# Altium PCB higgs.PcbDoc (part 7 of 25)
Units mm, origin at the board's own origin, x right, y up, seen from the top; angles counter-clockwise.
Board outline 160 x 160 mm, 15 copper layers (TOP, P1(GND), S1(V), P2(GND), S2(H), P3(GND), S3(V12/V2V5), S4(VDDR), P4(GND), S5(V), P5(GND), S6(H), P6(GND), P1(GND) (Plane1), BOT), stack 3.262 mm thick; 1283 components, 2419 nets, 11066 pads, 5487 vias.
Unrouted connection lines stored in the file: 239.
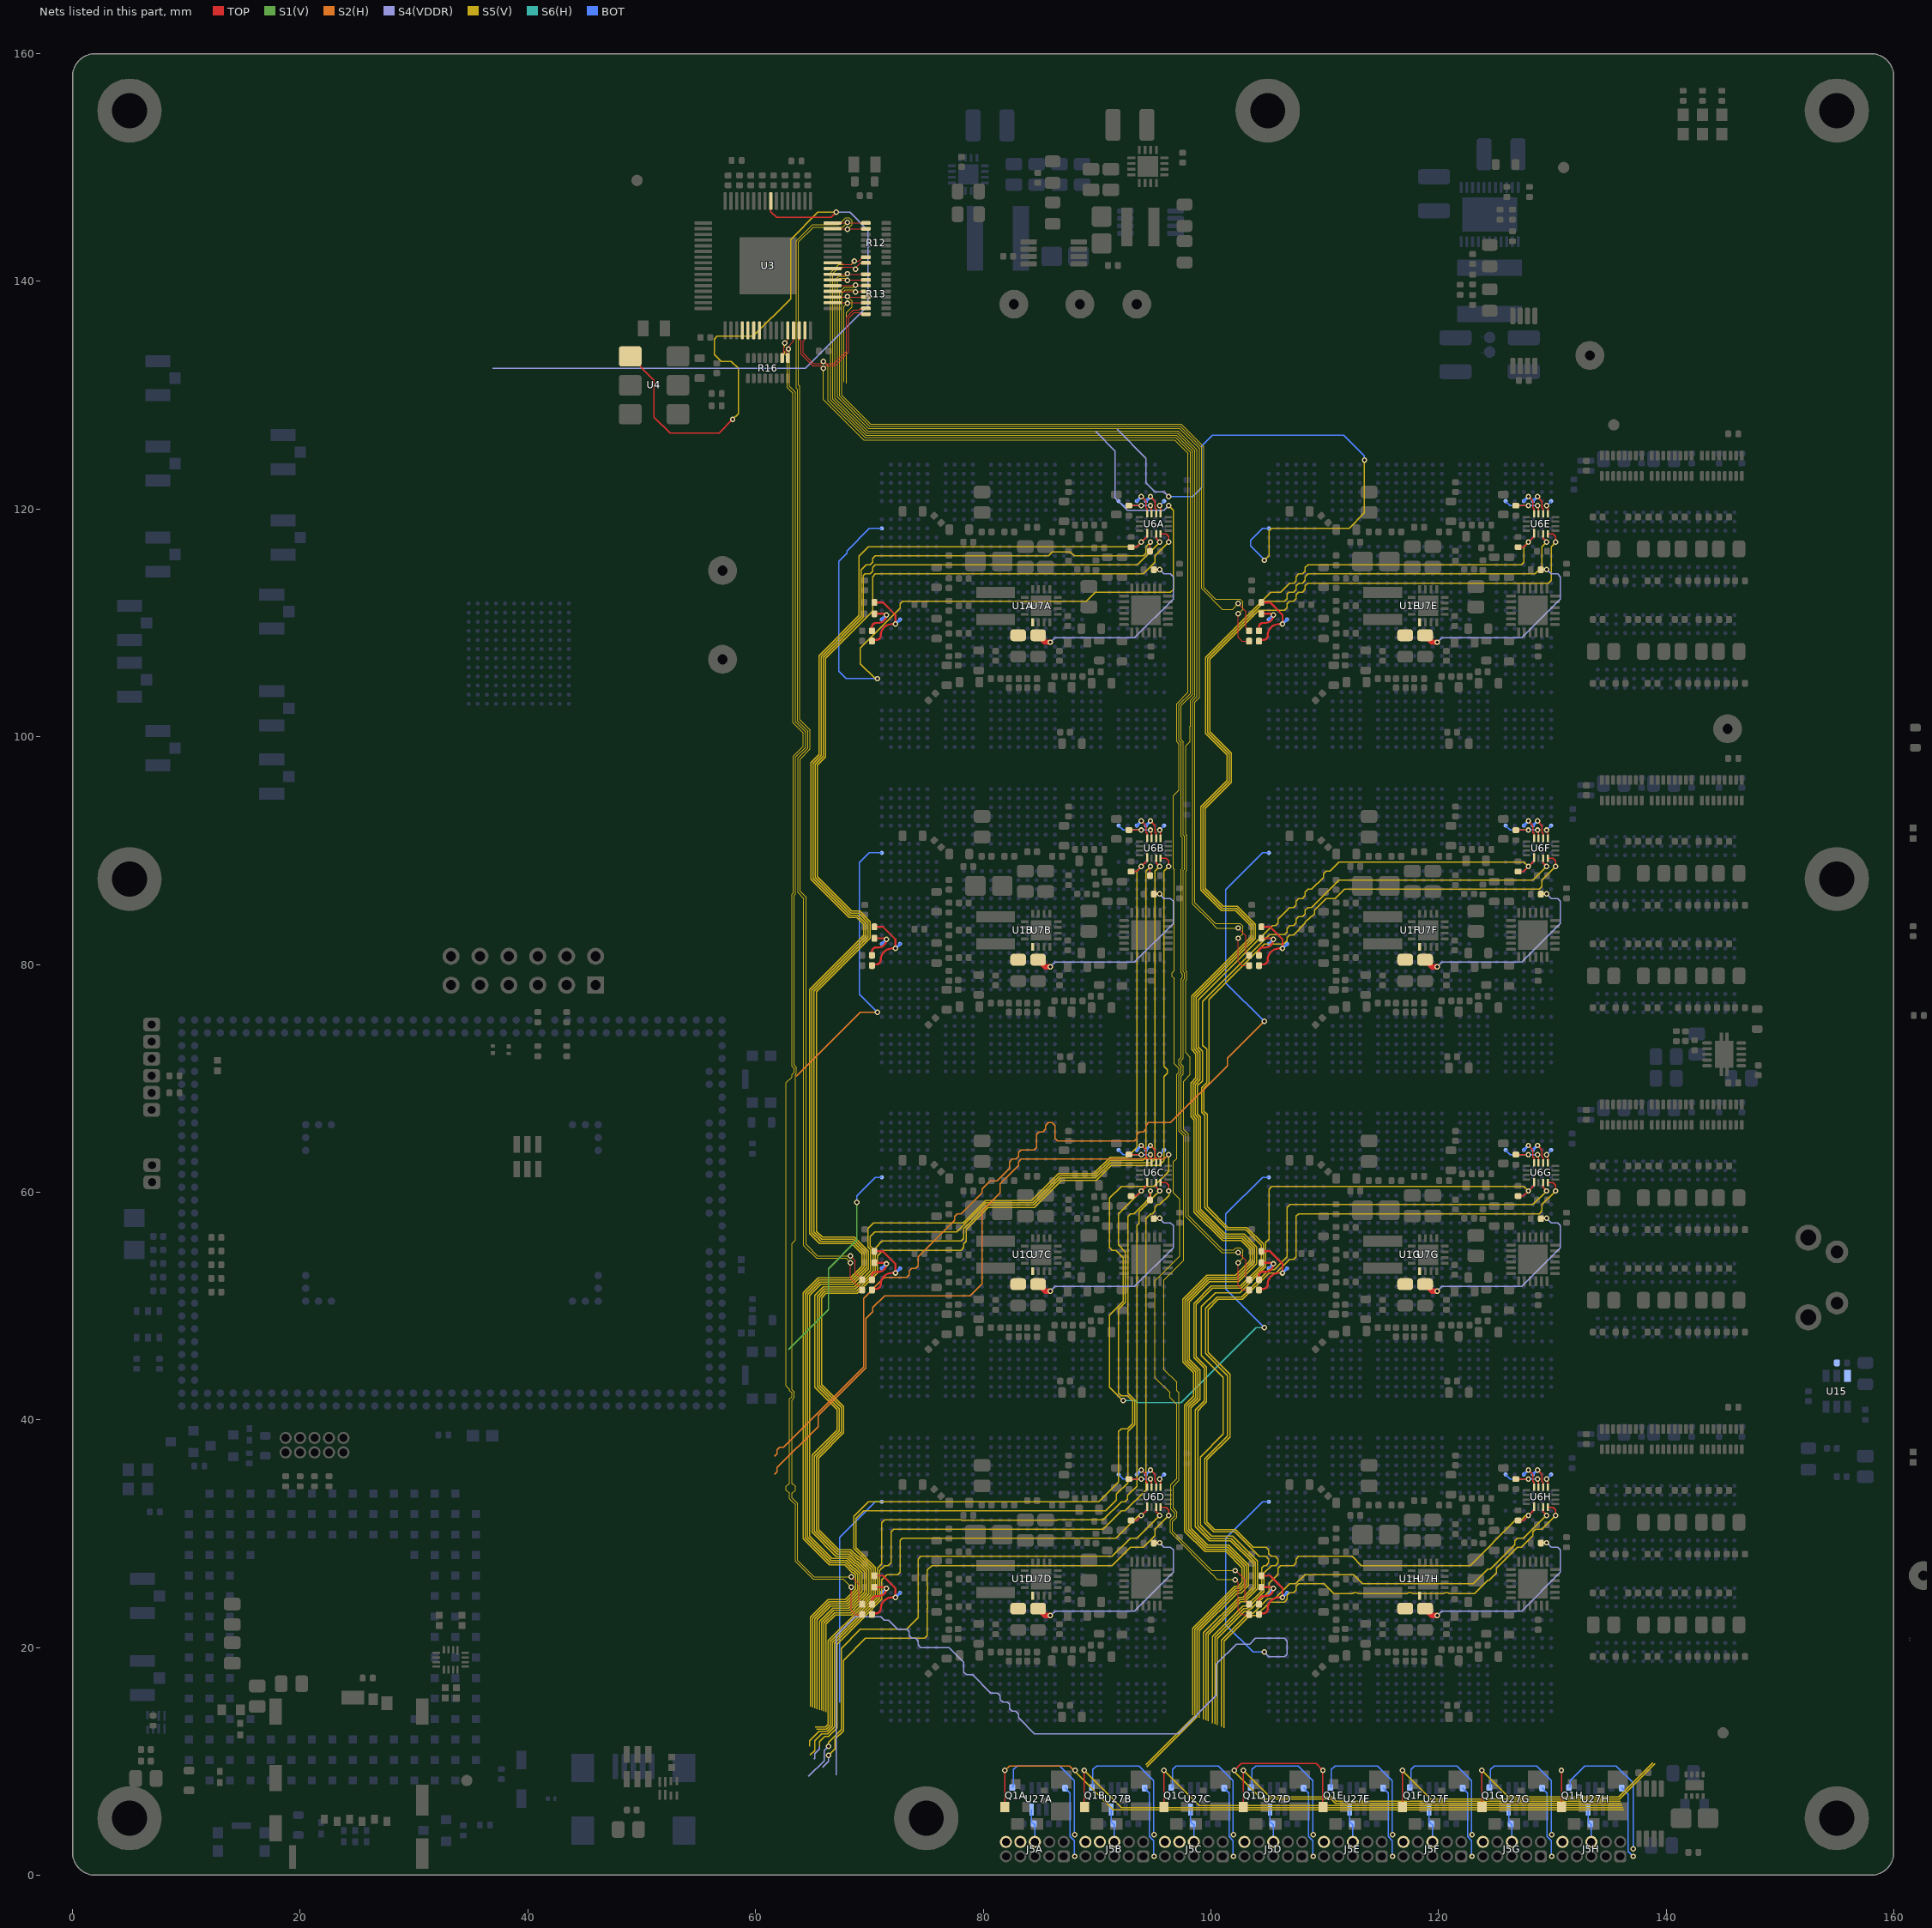
[diagram p20: the nets of this part, all layers, seen from the top]

## Via types
v1: diameter 0.483, hole 0.254, TOP to BOT, tented both sides, 5146 vias
v2: diameter 0.457, hole 0.254, TOP to BOT, tented both sides, 278 vias
v3: diameter 0.5, hole 0.25, TOP to BOT, 50 vias
v4: diameter 0.483/0/0/0/0.483/0/0/0.483 (per signal layer), hole 0.254, TOP to BOT, tented both sides, 7 vias
v5: diameter 0.483, hole 0.254, TOP to BOT, tented bottom, 5 vias
v6: diameter 0.483, hole 0.254, TOP to BOT, 1 vias

## Nets (pads, with @x,y where several pads share a name; then routed paths per layer and width w, separated by ;. In a path a pad name is that pad's centre, name@x,y a point inside that pad or via, vN(x,y) a via of type N, cw(c..) or ccw(c..) an arc to the next point about the centre after c; other vN are vias at no path point) (continued)
CLK22.C_N: C7C.2 R12.2 U3.38 U3.63 | length 106.5
  TOP w0.089: U3.63@66.77,144.626 68.027,144.626 v1(68.075,144.578) 68.124,144.626 R12.2@69.695,144.626 ; v1(68.35,53.8) 68.35,52.42 C7C.2@69.37,51.4
  S5(V) w0.089: v1(68.075,144.578) 68.475,144.978 68.475,145.34 68.241,145.575 67.909,145.575 67.314,144.979 65.006,144.979 63.587,143.56 63.587,131.451 63.585,131.449 63.585,130.606 63.692,130.5 63.692,119.751 63.692,117.351 63.696,117.347 63.696,117.322 63.698,117.32 63.698,101.401 64.598,100.501 64.598,100.232 64.599,100.231 64.599,99.01 63.723,98.133 63.723,86.327 64.247,85.803 64.247,55.316 65.369,54.194 67.956,54.194 v1(68.35,53.8)
CLK22.C_P: C6C.2 R12.1 U3.39 U3.64 | length 103.9
  TOP w0.089: U3.64@66.77,145.126 68.027,145.126 v1(68.075,145.174) 68.124,145.126 R12.1@69.695,145.126 ; v1(68.35,54.397) 68.75,53.997 68.75,52.92 C6C.2@69.37,52.3
  S5(V) w0.089: v1(68.075,145.174) 67.677,144.776 65.09,144.776 63.79,143.476 63.79,131.367 63.788,131.365 63.788,130.9 63.895,130.794 63.895,117.435 63.899,117.431 63.899,117.406 63.901,117.405 63.901,101.485 64.801,100.585 64.801,100.317 64.802,100.315 64.802,98.926 63.926,98.049 63.926,86.422 64.45,85.898 64.45,55.4 65.453,54.397 v1(68.35,54.397)
CLK23.C_N: C7D.2 R16.2 U3.36 U3.44 | length 121
  TOP w0.089: R16.2@62.34,133.271 62.34,133.626 62.488,133.774 62.488,134.496 v1(62.568,134.576) 62.84,134.848 U3.44@62.84,135.696 ; v1(68.4,25.3) 68.4,23.252 68.752,22.9 C7D.2@69.37,22.9
  S5(V) w0.089: v1(62.568,134.576) 62.568,134.298 62.492,134.222 62.492,133.89 62.568,133.814 62.568,133.598 62.787,133.379 62.787,130.679 63.292,130.174 63.292,101.241 64.199,100.335 64.199,100.067 64.2,100.066 64.2,99.175 63.324,98.299 63.324,86.271 63.2,86.148 63.2,71.653 63.197,71.65 63.197,71.069 63.4,70.866 63.4,70.534 63.197,70.331 63.197,70.097 62.7,69.6 62.7,42.975 62.997,42.678 62.997,42.569 63.2,42.366 63.2,42.034 62.997,41.831 62.997,34.4 62.934,34.4 62.7,34.166 62.7,33.834 62.934,33.6 62.997,33.6 62.997,33.066 63.263,32.8 63.266,32.8 63.5,32.566 63.5,27.563 65.066,25.997 67.703,25.997 v1(68.4,25.3)
CLK23.C_P: C6D.2 R16.1 U3.37 U3.45 | length 119.7
  TOP w0.089: R16.1@62.84,133.271 62.84,133.628 62.692,133.776 62.692,134.078 62.768,134.154 62.867,134.056 v1(62.892,134.056) 62.892,134.278 63.34,134.726 U3.45@63.34,135.696 ; v1(68.4,26.2) 69.087,25.513 69.087,24.083 C6D.2@69.37,23.8
  S5(V) w0.089: v1(62.892,134.056) 62.99,134.154 62.99,130.763 63.496,130.258 63.496,118.232 63.496,117.27 63.5,117.266 63.5,117.241 63.502,117.239 63.502,101.319 64.402,100.419 64.402,100.151 64.403,100.15 64.403,99.091 63.527,98.214 63.527,86.187 63.403,86.063 63.403,71.569 63.4,71.566 63.4,71.234 63.403,71.231 63.403,71.15 63.603,70.95 63.603,70.45 63.5,70.347 63.5,55.786 63.2,55.486 63.2,42.653 63.403,42.45 63.403,41.95 63.2,41.747 63.2,34.4 63.266,34.4 63.5,34.166 63.5,33.834 63.266,33.6 63.2,33.6 63.2,33.15 63.347,33.003 63.35,33.003 63.703,32.65 63.703,27.647 65.15,26.2 v1(68.4,26.2)
CLK30.C_N: C7E.2 R13.4 U3.52 | length 67.7
  TOP w0.089: U3.52@66.77,139.126 68.742,139.126 v1(68.79,139.078) 68.838,139.126 R13.4@69.695,139.126 ; v1(102.4,110.8) 102.4,108.752 102.752,108.4 C7E.2@103.37,108.4
  S5(V) w0.089: v1(68.79,139.078) 68.592,139.276 67.89,139.276 67.59,138.976 67.59,129.986 70.1,127.476 97.396,127.476 99.401,125.47 99.401,125.286 99.403,125.284 99.403,113.097 100.4,112.1 102.566,112.1 102.8,111.866 102.8,111.2 v1(102.4,110.8)
CLK30.C_P: C6E.2 R13.3 U3.53 | length 66.8
  TOP w0.089: U3.53@66.77,139.626 68.742,139.626 v1(68.79,139.674) 68.838,139.626 R13.3@69.695,139.626 ; v1(102.4,111.7) 103.087,111.013 103.087,109.583 C6E.2@103.37,109.3
  S5(V) w0.089: v1(68.79,139.674) 68.595,139.479 67.806,139.479 67.387,139.06 67.387,129.901 70.016,127.272 97.312,127.272 99.198,125.386 99.198,125.202 99.2,125.2 99.2,113.013 101.016,111.197 101.897,111.197 v1(102.4,111.7)
CLK31.C_N: C7F.2 R13.2 U3.54 | length 97.5
  TOP w0.089: U3.54@66.77,140.126 68.027,140.126 v1(68.075,140.078) 68.124,140.126 R13.2@69.695,140.126 ; v1(102.4,82.3) 102.4,80.252 102.752,79.9 C7F.2@103.37,79.9
  S5(V) w0.089: v1(68.075,140.078) 67.877,140.276 67.39,140.276 67.19,140.076 67.19,131.5 67.191,129.82 69.935,127.076 97.23,127.076 99.002,125.305 99.002,103.442 98.603,103.043 98.603,85.397 100.4,83.6 102.566,83.6 102.8,83.366 102.8,82.7 v1(102.4,82.3)
CLK31.C_P: C6F.2 R13.1 U3.55 | length 96.1
  TOP w0.089: U3.55@66.77,140.626 68.027,140.626 v1(68.075,140.674) 68.124,140.626 R13.1@69.695,140.626 ; v1(102.4,83.2) 103.087,82.513 103.087,81.083 C6F.2@103.37,80.8
  S5(V) w0.089: v1(68.075,140.674) 67.88,140.479 67.306,140.479 66.987,140.16 66.987,129.737 69.851,126.873 97.146,126.873 98.799,125.22 98.799,103.526 98.4,103.127 98.4,85.313 99.9,83.813 100.513,83.2 v1(102.4,83.2)
CLK32.C_N: C7G.2 R12.8 U3.56 | length 129.3
  TOP w0.089: U3.56@66.77,141.126 67.594,141.126 67.744,141.276 68.59,141.276 v1(68.79,141.076) 68.79,141.185 69.231,141.626 R12.8@69.695,141.626 ; v1(102.4,53.8) 102.4,51.752 102.752,51.4 C7G.2@103.37,51.4
  S5(V) w0.089: v1(68.79,141.076) 68.59,141.276 67.39,141.276 66.79,140.676 66.79,131.7 66.791,131.699 66.791,129.656 69.769,126.677 97.065,126.677 98.603,125.139 98.603,103.608 98.204,103.209 98.204,100.952 98.2,100.948 98.2,99.592 97.802,99.194 97.802,98.785 97.799,98.782 97.799,91.431 97.899,91.331 97.899,88.269 97.799,88.169 97.799,79.431 97.899,79.331 97.899,78.669 97.799,78.569 97.799,72.259 98.2,71.858 98.2,70.338 97.603,69.741 97.603,65.522 98.025,65.1 98.025,57.927 101.049,54.903 102.037,54.903 102.234,55.1 102.566,55.1 102.8,54.866 102.8,54.2 v1(102.4,53.8)
CLK32.C_P: C6G.2 R12.7 U3.57 | length 127.6
  TOP w0.089: U3.57@66.77,141.626 67.594,141.626 67.741,141.479 68.393,141.479 v1(68.69,141.776) 69.093,141.776 69.443,142.126 R12.7@69.695,142.126 ; v1(102.4,54.7) 103.087,54.013 103.087,52.583 C6G.2@103.37,52.3
  S5(V) w0.089: v1(68.69,141.776) 68.393,141.479 67.306,141.479 66.587,140.76 66.587,129.572 69.685,126.474 96.981,126.474 98.4,125.055 98.4,103.729 97.4,102.729 97.4,99.734 97.596,99.538 97.596,99.534 97.599,99.531 97.599,98.869 97.596,98.866 97.596,91.347 97.696,91.247 97.696,88.353 97.596,88.253 97.596,79.346 97.696,79.247 97.696,78.753 97.596,78.653 97.596,71.762 97.4,71.566 97.4,71.234 97.596,71.038 97.596,71.034 97.599,71.031 97.599,70.369 97.4,70.17 97.4,65.438 97.8,65.038 97.8,57.864 100.964,54.7 v1(102.4,54.7)
CLK33.C_N: C7H.2 R13.8 U3.46 | length 158.8
  TOP w0.089: U3.46@63.84,135.696 63.84,134.872 63.987,134.725 63.987,133.592 65.006,132.573 65.174,132.573 65.176,132.574 65.778,132.574 v1(65.975,132.378) 66.17,132.573 66.974,132.573 67.174,132.773 ; 67.19,132.773 67.174,132.773 ; R13.8@69.695,137.126 69.231,137.126 69.082,137.274 68.688,137.274 68.19,136.776 68.19,133.789 67.174,132.773 ; v1@102.175,25.925 102.4,25.7 102.4,23.252 102.752,22.9 C7H.2@103.37,22.9
  S5(V) w0.089: v1(65.975,132.378) 65.975,129.62 69.52,126.075 96.816,126.075 98.001,124.89 98.001,103.894 97.001,102.894 97.001,99.569 97.177,99.393 97.177,99.388 97.2,99.366 97.2,99.034 97.197,99.031 97.197,95.316 96.7,94.819 96.7,88.434 96.8,88.334 96.8,79.466 96.6,79.266 96.6,78.934 96.7,78.835 ; 96.7,78.834 96.8,78.734 96.8,71.27 97.197,70.873 97.197,70.869 97.2,70.866 97.2,70.534 97,70.334 97,65.834 ; 97,65.825 97,62.966 96.7,62.666 96.7,59.934 97.275,59.359 97.275,54.375 95.1,52.2 95.1,49.066 95.1,43.7 96.4,42.4 96.4,41.95 97,41.35 97,34.85 96.475,34.325 96.475,32.15 96.813,31.812 96.813,31.538 96.438,31.163 96.438,30.105 100.072,26.471 100.072,26.466 100.075,26.463 100.087,26.463 100.575,25.975 v1@102.2,25.975
  other v1: 102.15,25.95
CLK33.C_P: C6H.2 R13.7 U3.47 | length 157.4
  TOP w0.089: U3.47@64.34,135.696 64.34,134.872 64.19,134.722 64.19,133.676 65.088,132.778 65.778,132.778 v1(65.975,132.974) 66.174,132.776 66.89,132.776 67.14,133.026 67.987,133.873 67.987,136.86 68.604,137.478 69.082,137.478 69.231,137.626 R13.7@69.695,137.626 ; v1@102.188,26.788 103.025,25.95 103.025,24.145 C6H.2@103.37,23.8
  S5(V) w0.089: v1(65.975,132.974) 66.375,132.574 66.375,129.507 69.604,126.278 96.9,126.278 98.204,124.974 98.204,103.81 97.204,102.81 97.204,99.653 97.381,99.477 97.381,99.472 97.403,99.45 97.403,98.95 97.4,98.947 97.4,91.266 97.5,91.166 97.5,88.434 97.4,88.334 97.4,79.265 97.5,79.166 97.5,78.834 97.4,78.734 97.4,71.843 97.204,71.647 97.204,71.153 97.4,70.957 97.4,70.953 97.403,70.95 97.403,70.45 97.203,70.25 97.203,66.303 ; 97.203,66.097 97.203,66.303 ; v1(102.15,26.75) 102.125,26.775 100.067,26.775 96.65,30.192 96.65,31.075 97.025,31.45 97.025,31.9 96.7,32.225 96.7,34.166 97.2,34.666 97.2,34.763 97.203,34.766 97.203,41.434 97.2,41.437 97.2,42.366 97,42.566 97,43.3 95.9,44.4 95.9,52.3 97.6,54 97.6,64.95 97.203,65.347 97.203,65.403 97.204,65.404 97.204,66.304 97.203,66.303
CLK_R.CA_N: C7A.1 R9A.2 U1A.C18 | length 6.5
  TOP w0.178: C7A.1@70.23,108.5 70.6,108.5 ccw(c70.6,108.9) 71,108.9 cw(c72,108.9) 72,109.9 v1(72.3,109.9) 72.3,110.7 71.2,111.8 R9A.2@70.445,111.8
  BOT w0.254: v1(72.3,109.9) U1A.C18@72.7,110.3
CLK_R.CA_P: C6A.1 R8A.2 U1A.A18 | length 3.9
  TOP w0.152: C6A.1@70.03,109.2 C6A.1@70.03,109.23
  TOP w0.178: C6A.1@70.23,109.3 70.23,109.63 cw(c70.6,109.63) 70.6,110 70.8,110 ccw(c70.8,110.7) v1(71.5,110.7) ccw(c71.4,110.7) 71.4,110.8 R8A.2@70.445,110.8
  BOT w0.254: U1A.A18@71.1,110.3 v1(71.5,110.7)
CLK_R.CB_N: C7B.1 R9B.2 U1B.C18 | length 6.5
  TOP w0.178: C7B.1@70.23,80 70.6,80 ccw(c70.6,80.4) 71,80.4 cw(c72,80.4) 72,81.4 v1(72.3,81.4) 72.3,82.2 71.2,83.3 R9B.2@70.445,83.3
  BOT w0.254: v1(72.3,81.4) U1B.C18@72.7,81.8
CLK_R.CB_P: C6B.1 R8B.2 U1B.A18 | length 3.9
  TOP w0.152: C6B.1@70.03,80.7 C6B.1@70.03,80.73
  TOP w0.178: C6B.1@70.23,80.8 70.23,81.13 cw(c70.6,81.13) 70.6,81.5 70.8,81.5 ccw(c70.8,82.2) v1(71.5,82.2) ccw(c71.4,82.2) 71.4,82.3 R8B.2@70.445,82.3
  BOT w0.254: U1B.A18@71.1,81.8 v1(71.5,82.2)
CLK_R.CC_N: C7C.1 R9C.2 U1C.C18 | length 6.5
  TOP w0.178: C7C.1@70.23,51.5 70.6,51.5 ccw(c70.6,51.9) 71,51.9 cw(c72,51.9) 72,52.9 v1(72.3,52.9) 72.3,53.7 71.2,54.8 R9C.2@70.445,54.8
  BOT w0.254: v1(72.3,52.9) U1C.C18@72.7,53.3
CLK_R.CC_P: C6C.1 R8C.2 U1C.A18 | length 3.9
  TOP w0.178: C6C.1@70.23,52.3 70.23,52.63 cw(c70.6,52.63) 70.6,53 70.8,53 ccw(c70.8,53.7) v1(71.5,53.7) ccw(c71.4,53.7) 71.4,53.8 R8C.2@70.445,53.8
  BOT w0.254: U1C.A18@71.1,53.3 v1(71.5,53.7)
CLK_R.CD_N: C7D.1 R9D.2 U1D.C18 | length 6.5
  TOP w0.178: C7D.1@70.23,23 70.6,23 ccw(c70.6,23.4) 71,23.4 cw(c72,23.4) 72,24.4 v1(72.3,24.4) 72.3,25.2 71.2,26.3 R9D.2@70.445,26.3
  BOT w0.254: v1(72.3,24.4) U1D.C18@72.7,24.8
CLK_R.CD_P: C6D.1 R8D.2 U1D.A18 | length 3.9
  TOP w0.152: C6D.1@70.03,23.7 C6D.1@70.03,23.73
  TOP w0.178: C6D.1@70.23,23.8 70.23,24.13 cw(c70.6,24.13) 70.6,24.5 70.8,24.5 ccw(c70.8,25.2) v1(71.5,25.2) ccw(c71.4,25.2) 71.4,25.3 R8D.2@70.445,25.3
  BOT w0.254: U1D.A18@71.1,24.8 v1(71.5,25.2)
CLK_R.CE_N: C7E.1 R9E.2 U1E.C18 | length 6.5
  TOP w0.178: C7E.1@104.23,108.5 104.6,108.5 ccw(c104.6,108.9) 105,108.9 cw(c106,108.9) 106,109.9 v1(106.3,109.9) 106.3,110.7 105.2,111.8 R9E.2@104.445,111.8
  BOT w0.254: v1(106.3,109.9) U1E.C18@106.7,110.3
CLK_R.CE_P: C6E.1 R8E.2 U1E.A18 | length 3.9
  TOP w0.152: C6E.1@104.03,109.2 C6E.1@104.03,109.23
  TOP w0.178: C6E.1@104.23,109.3 104.23,109.63 cw(c104.6,109.63) 104.6,110 104.8,110 ccw(c104.8,110.7) v1(105.5,110.7) ccw(c105.4,110.7) 105.4,110.8 R8E.2@104.445,110.8
  BOT w0.254: U1E.A18@105.1,110.3 v1(105.5,110.7)
CLK_R.CF_N: C7F.1 R9F.2 U1F.C18 | length 6.5
  TOP w0.178: C7F.1@104.23,80 104.6,80 ccw(c104.6,80.4) 105,80.4 cw(c106,80.4) 106,81.4 v1(106.3,81.4) 106.3,82.2 105.2,83.3 R9F.2@104.445,83.3
  BOT w0.254: v1(106.3,81.4) U1F.C18@106.7,81.8
CLK_R.CF_P: C6F.1 R8F.2 U1F.A18 | length 3.9
  TOP w0.152: C6F.1@104.03,80.7 C6F.1@104.03,80.73
  TOP w0.178: C6F.1@104.23,80.8 104.23,81.13 cw(c104.6,81.13) 104.6,81.5 104.8,81.5 ccw(c104.8,82.2) v1(105.5,82.2) ccw(c105.4,82.2) 105.4,82.3 R8F.2@104.445,82.3
  BOT w0.254: U1F.A18@105.1,81.8 v1(105.5,82.2)
CLK_R.CG_N: C7G.1 R9G.2 U1G.C18 | length 6.5
  TOP w0.178: C7G.1@104.23,51.5 104.6,51.5 ccw(c104.6,51.9) 105,51.9 cw(c106,51.9) 106,52.9 v1(106.3,52.9) 106.3,53.7 105.2,54.8 R9G.2@104.445,54.8
  BOT w0.254: v1(106.3,52.9) U1G.C18@106.7,53.3
CLK_R.CG_P: C6G.1 R8G.2 U1G.A18 | length 3.9
  TOP w0.152: C6G.1@104.03,52.2 C6G.1@104.03,52.23
  TOP w0.178: C6G.1@104.23,52.3 104.23,52.63 cw(c104.6,52.63) 104.6,53 104.8,53 ccw(c104.8,53.7) v1(105.5,53.7) ccw(c105.4,53.7) 105.4,53.8 R8G.2@104.445,53.8
  BOT w0.254: U1G.A18@105.1,53.3 v1(105.5,53.7)
CLK_R.CH_N: C7H.1 R9H.2 U1H.C18 | length 6.5
  TOP w0.178: C7H.1@104.23,23 104.6,23 ccw(c104.6,23.4) 105,23.4 cw(c106,23.4) 106,24.4 v1(106.3,24.4) 106.3,25.2 105.2,26.3 R9H.2@104.445,26.3
  BOT w0.254: v1(106.3,24.4) U1H.C18@106.7,24.8
CLK_R.CH_P: C6H.1 R8H.2 U1H.A18 | length 3.9
  TOP w0.152: C6H.1@104.03,23.7 C6H.1@104.03,23.73
  TOP w0.178: C6H.1@104.23,23.8 104.23,24.13 cw(c104.6,24.13) 104.6,24.5 104.8,24.5 ccw(c104.8,25.2) v1(105.5,25.2) ccw(c105.4,25.2) 105.4,25.3 R8H.2@104.445,25.3
  BOT w0.254: U1H.A18@105.1,24.8 v1(105.5,25.2)
CLK_SEL: U3.8 U4.1 | length 93.6
  TOP w0.095: U4.1@48.99,133.416 51.09,131.316 51.09,128.076 52.49,126.676 56.79,126.676 v1(57.99,127.876) ; U3.8@61.34,147.056 61.34,146.126 61.84,145.626 66.64,145.626 v1(67.09,146.076)
  S4(VDDR) w0.095: 36.89,132.376 64.39,132.376 69.89,137.876 69.89,144.476 68.29,146.076 v1(67.09,146.076)
  S5(V) w0.095: v1(57.99,127.876) 58.495,128.381 58.495,132.354 57.866,132.982 56.987,132.982 56.394,133.575 56.394,134.94 56.626,135.172 59.786,135.172 63.09,138.476 63.09,143.676 65.49,146.076 v1(67.09,146.076)
CLKCFG.C_N: R13.6 U3.50 | length 10
  TOP w0.089: U3.50@66.77,138.126 68.027,138.126 v1(68.075,138.078) 68.124,138.126 R13.6@69.695,138.126
  S5(V) w0.089: 67.786,131.141 67.786,137.788 v1(68.075,138.078)
CLKCFG.C_P: R13.5 U3.51 | length 10.7
  TOP w0.089: U3.51@66.77,138.626 68.027,138.626 v1(68.075,138.674) 68.124,138.626 R13.5@69.695,138.626
  S5(V) w0.089: 67.989,131.057 67.989,137.276 68.475,137.762 68.475,138.274 68.27,138.479
ENA: R22A.2
ENB: R22B.2
FBA: R3A.2 R10A.1 R11A.2 U7A.5 | length 17.1
  TOP w0.483: R11A.2@84.825,108.915 85.44,108.3 v1(85.9,108.3)
  S4(VDDR) w0.1: v1(85.9,108.3) 86.3,108.7 93.3,108.7 96.7,112.1 ; v1(95.5,114.7) 95.9,114.3 96.3,114.3 ; 96.302,114.298 96.465,114.298 96.698,114.065 96.698,112.102
FBB: R3B.2 R10B.1 R11B.2 U7B.5 | length 17.1
  TOP w0.483: R11B.2@84.825,80.415 85.44,79.8 v1(85.9,79.8)
  S4(VDDR) w0.1: v1(85.9,79.8) 86.3,80.2 93.3,80.2 96.7,83.6 ; v1(95.5,86.2) 95.9,85.8 96.3,85.8 ; 96.302,85.798 96.465,85.798 96.698,85.565 96.698,83.602
FBC: R3C.2 R10C.1 R11C.2 U7C.5 | length 17.1
  TOP w0.483: R11C.2@84.825,51.915 85.44,51.3 v1(85.9,51.3)
  S4(VDDR) w0.1: v1(85.9,51.3) 86.3,51.7 93.3,51.7 96.7,55.1 ; v1(95.5,57.7) 95.9,57.3 96.3,57.3 ; 96.302,57.298 96.465,57.298 96.698,57.065 96.698,55.102
FBD: R3D.2 R10D.1 R11D.2 U7D.5 | length 17.1
  TOP w0.483: R11D.2@84.825,23.415 85.44,22.8 v1(85.9,22.8)
  S4(VDDR) w0.1: v1(85.9,22.8) 86.3,23.2 93.3,23.2 96.7,26.6 ; v1(95.5,29.2) 95.9,28.8 96.3,28.8 ; 96.302,28.798 96.465,28.798 96.698,28.565 96.698,26.602
FBE: R3E.2 R10E.1 R11E.2 U7E.5 | length 17.1
  TOP w0.483: R11E.2@118.825,108.915 119.44,108.3 v1(119.9,108.3)
  S4(VDDR) w0.1: v1(119.9,108.3) 120.3,108.7 127.3,108.7 130.7,112.1 ; v1(129.5,114.7) 129.9,114.3 130.3,114.3 ; 130.302,114.298 130.465,114.298 130.698,114.065 130.698,112.102
FBF: R3F.2 R10F.1 R11F.2 U7F.5 | length 17.1
  TOP w0.483: R11F.2@118.825,80.415 119.44,79.8 v1(119.9,79.8)
  S4(VDDR) w0.1: v1(119.9,79.8) 120.3,80.2 127.3,80.2 130.7,83.6 ; v1(129.5,86.2) 129.9,85.8 130.3,85.8 ; 130.302,85.798 130.465,85.798 130.698,85.565 130.698,83.602
FBG: R3G.2 R10G.1 R11G.2 U7G.5 | length 17.1
  TOP w0.483: R11G.2@118.825,51.915 119.44,51.3 v1(119.9,51.3)
  S4(VDDR) w0.1: v1(119.9,51.3) 120.3,51.7 127.3,51.7 130.7,55.1 ; v1(129.5,57.7) 129.9,57.3 130.3,57.3 ; 130.302,57.298 130.465,57.298 130.698,57.065 130.698,55.102
FBH: R3H.2 R10H.1 R11H.2 U7H.5 | length 17.1
  TOP w0.483: R11H.2@118.825,23.415 119.44,22.8 v1(119.9,22.8)
  S4(VDDR) w0.1: v1(119.9,22.8) 120.3,23.2 127.3,23.2 130.7,26.6 ; v1(129.5,29.2) 129.9,28.8 130.3,28.8 ; 130.302,28.798 130.465,28.798 130.698,28.565 130.698,26.602
FPGA_LEDA: Q1A.1 U1A.A8 | length 130.5
  TOP w0.1: Q1A.1@81.905,6.01 v1(81.905,9.2)
  S2(H) w0.1: v1(81.905,9.2) 82.303,9.598 87.577,9.598 v1@87.975,9.2 ; v1@87.976,9.2 v1(88.097,9.2)
  S4(VDDR) w0.1: 89.889,126.811 91.6,125.1 91.6,121 92.698,119.902 95.902,119.902 v1(96.3,120.3)
  S5(V) w0.1: v1(70.7,105.1) 70.506,105.1 69.197,106.409 69.197,107.791 72.702,111.296 72.702,111.665 72.935,111.898 89.048,111.898 89.848,112.698 96.152,112.698 96.155,112.702 96.465,112.702 96.698,112.935 96.698,113.265 96.698,119.902 v1(96.3,120.3) ; v1(88.097,9.2) 88.097,9.079 91.438,5.737 136.302,5.737
  BOT w0.1: v1(70.7,105.1) 67.975,105.1 67.323,105.752 67.323,115.405 68.022,116.104 68.022,116.317 70.005,118.3 U1A.A8@71.1,118.3
FPGA_LEDB: Q1B.1 U1B.A8 | length 77.4
  TOP w0.1: Q1B.1@88.89,6.01 v1(88.89,9.2)
  S2(H) w0.1: 63.596,70.202 69.194,75.8 v1(70.7,75.8)
  S5(V) w0.1: v1(88.89,9.2) 92.164,5.926 136.224,5.926
  BOT w0.1: v1(70.7,75.8) 69.125,77.375 69.125,88.945 69.98,89.8 U1B.A8@71.1,89.8
FPGA_LEDC: Q1C.1 U1C.A8 | length 63.6
  TOP w0.1: Q1C.1@95.875,6.01 v1(95.875,9.2)
  S1(V) w0.102: 62.926,46.195 66.405,49.674 66.405,53.274 68.9,55.769 v1(68.9,59.1)
  S5(V) w0.1: v1(95.875,9.2) 98.96,6.115 136.145,6.115
  BOT w0.102: v1(68.9,59.1) 68.9,59.664 69.735,60.499 70.535,61.299 U1C.A8@71.1,61.3 U1C.A8@71.1,61.3
FPGA_LEDD: Q1D.1 U1D.A8 | length 57
  TOP w0.1: Q1D.1@102.86,6.01 v1(102.86,9.2)
  S5(V) w0.1: v1(102.86,9.2) 105.188,6.872 110.644,6.872 111.024,6.493 135.989,6.493
  BOT w0.1: 67.4,15.15 67.4,29.666 70.534,32.8 U1D.A8@71.1,32.8
FPGA_LEDE: Q1E.1 U1E.A8 | length 98.4
  TOP w0.1: v1(102.072,9.2) 102.672,9.8 109.245,9.8 v1(109.845,9.2) Q1E.1@109.845,6.01
  S4(VDDR) w0.1: 91.763,127 94.298,124.465 94.298,122.302 95.102,121.498 95.902,121.498 v1(96.3,121.1)
  S5(V) w0.1: v1(102.072,9.2) 102.072,9.083 104.472,6.683 110.566,6.683 110.946,6.304 136.067,6.304 ; v1(104.7,115.5) 105.102,115.902 105.102,118.065 105.337,118.3 112.15,118.3 113.5,119.65 v1(113.5,124.3)
  BOT w0.1: v1(96.3,121.1) 98.4,121.1 99.197,121.897 99.197,125.56 100.135,126.498 111.677,126.498 113.5,124.675 v1@113.5,124.275 ; v1@104.738,115.513 103.502,116.748 103.502,117.267 104.534,118.3 U1E.A8@105.1,118.3
FPGA_LEDF: Q1F.1 U1F.A8 | length 113.7
  TOP w0.102: v1@116.8,9.2 116.84,9.16 Q1F.1@116.84,6
  S2(H) w0.102: 61.665,36.801 61.901,37.036 61.901,37.365 62.136,37.601 62.465,37.601 69.501,44.636 69.501,50.665 71.101,52.265 71.335,52.499 72.448,52.499 72.45,52.501 73.265,52.501 73.499,52.735 73.499,53.064 73.736,53.301 74.065,53.301 74.299,53.535 74.299,54.335 77.501,57.536 77.501,57.865 77.736,58.101 78.065,58.101 79.901,59.936 79.901,60.265 80.632,60.996 81.227,60.996 82.299,62.068 82.299,62.664 82.536,62.901 82.865,62.901 83.101,63.136 83.101,63.465 83.336,63.701 84.465,63.701 84.701,63.936 84.701,65.065 84.935,65.299 85.264,65.299 85.501,65.537 85.501,65.865 85.735,66.099 86.065,66.099 86.301,65.864 86.301,64.735 86.535,64.501 93.265,64.501 93.499,64.735 93.499,65.064 93.736,65.301 94.065,65.301 94.299,65.535 94.299,65.864 94.536,66.101 96.465,66.101 101.464,71.1 101.464,71.764 v1(104.7,75)
  S5(V) w0.102: v1@116.8,9.2 119.318,6.682 135.91,6.682 139.005,9.777 139.005,9.806
  BOT w0.102: v1(104.7,75) 101.324,78.376 101.324,86.588 103.968,89.232 104.536,89.8 U1F.A8@105.1,89.8
  other v1: 116.83,9.2
FPGA_LEDG: Q1G.1 U1G.A8 | length 133.5
  TOP w0.1: Q1G.1@123.815,6.01 v1(123.815,9.2)
  S2(H) w0.1: 61.665,35.202 61.898,35.435 61.898,35.798 65.502,39.402 65.502,40.365 69.104,43.967 69.104,43.971 69.691,44.558 69.691,48.885 70.3,49.494 70.3,49.5 ; v1(96.3,63.3) 95.898,62.898 83.335,62.898 83.098,62.662 83.098,62.335 81.498,60.735 81.498,59.935 79.902,58.338 79.902,51.938 78.865,50.902 77.735,50.902 71.338,50.902 70.301,49.864 70.301,49.501 ; 70.3,49.5 70.301,49.501